# Altium PCB Transfer_V1_Pcb.PcbDoc (part 1 of 2)
Units mm, origin at the board's own origin, x right, y up, seen from the top; angles counter-clockwise.
Board outline 70 x 58.85 mm, 2 copper layers (Top Layer, Bottom Layer); 264 components, 30 nets, 720 pads, 84 vias.
Unrouted connection lines stored in the file: 1.
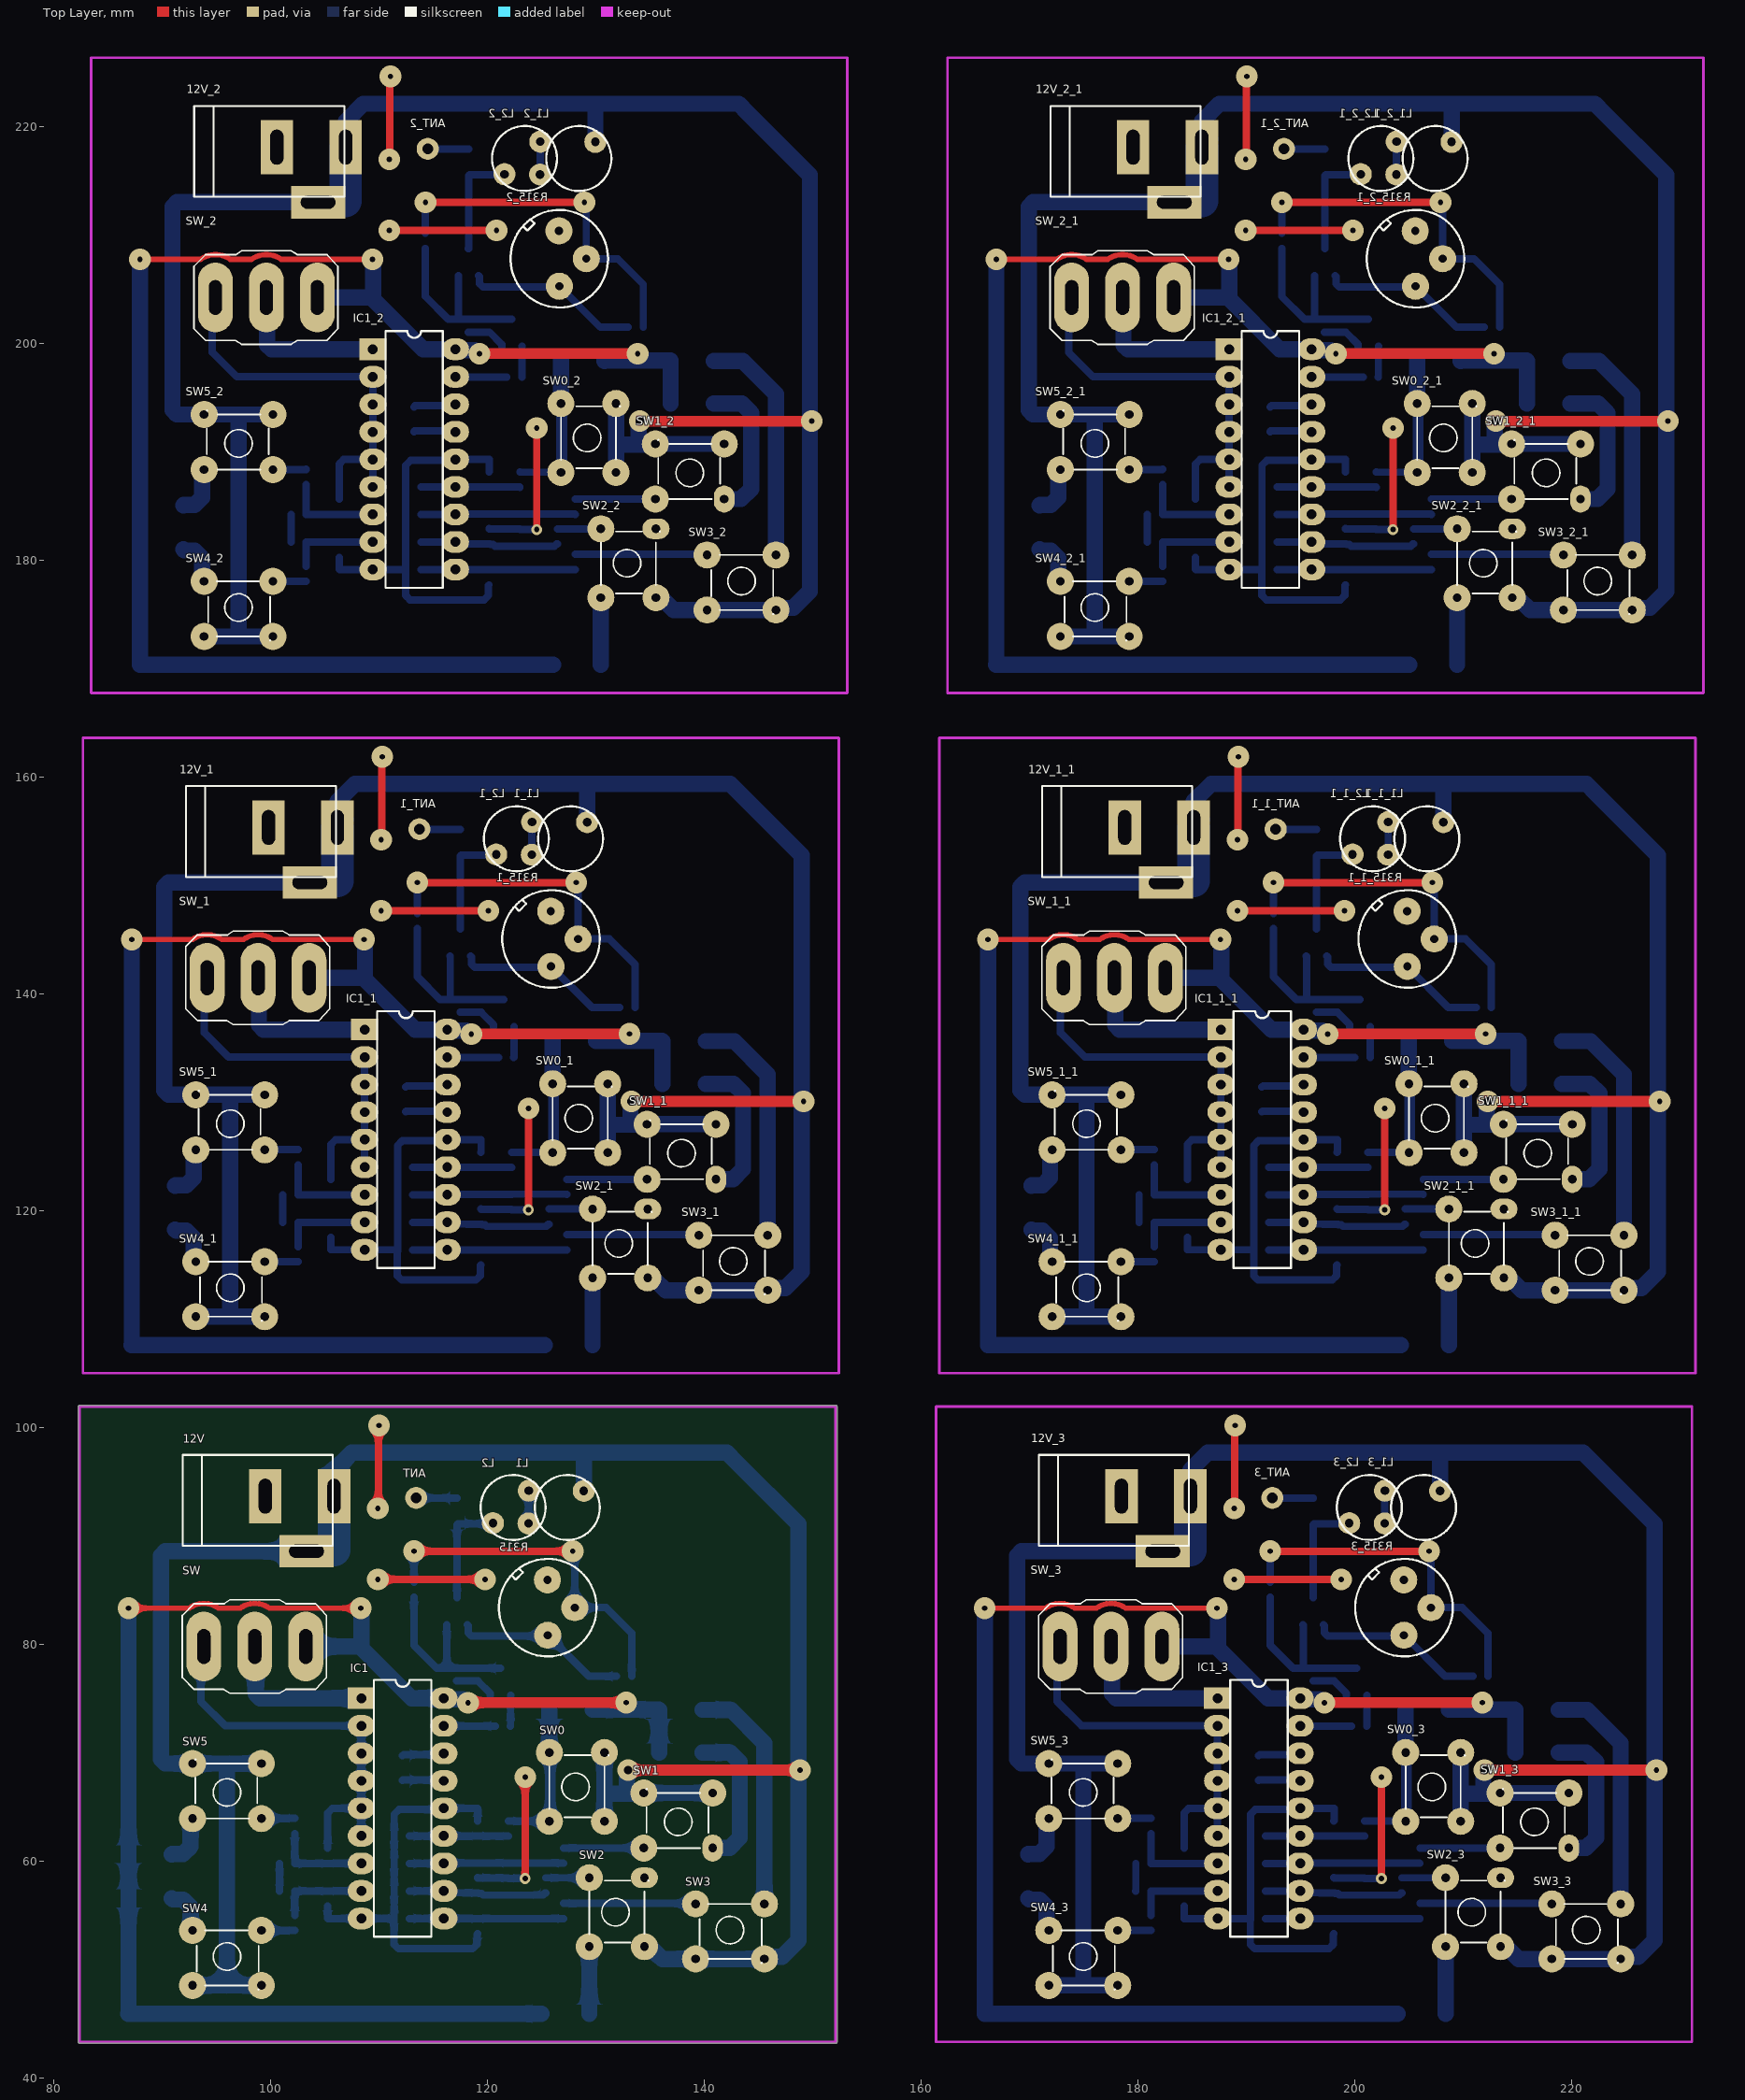
[diagram p0: Top Layer view]
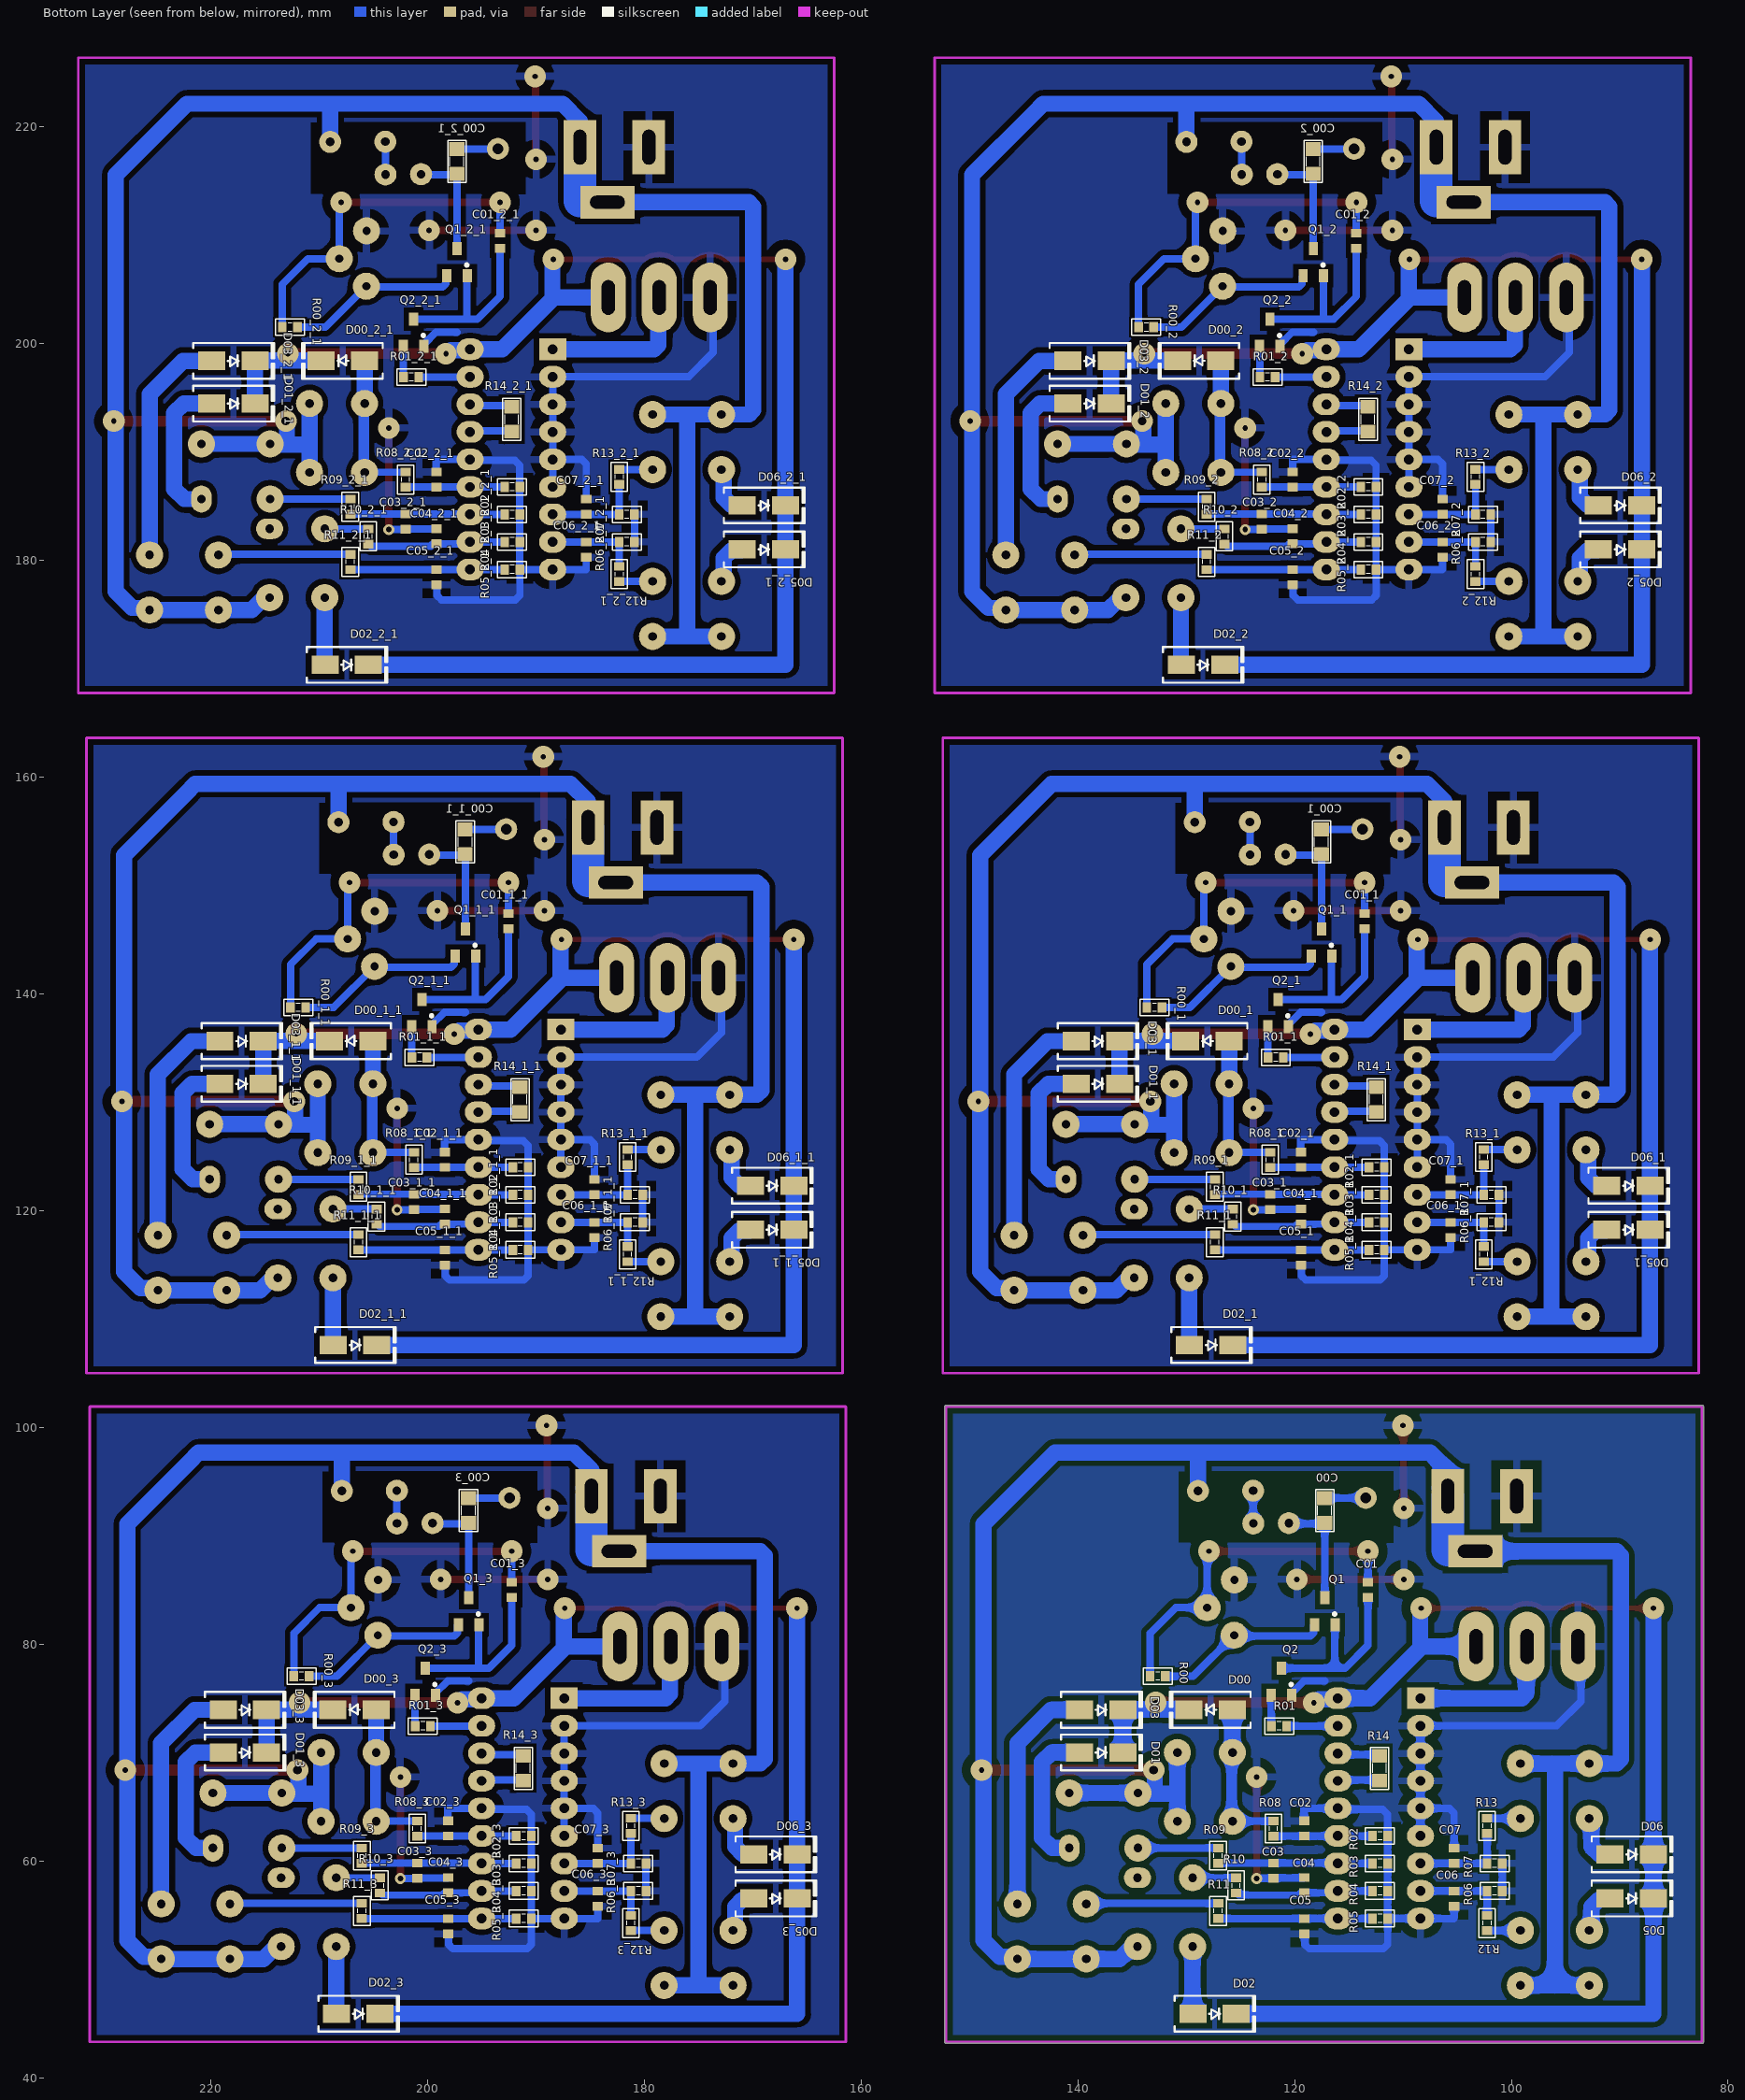
[diagram p1: Bottom Layer view, seen from below]

## Layer stack, top to bottom
Top Solder: solder mask 0.0102, Solder Resist, Dk 3.5
Top Layer: signal copper 0.0356
Dielectric 1: dielectric 0.32, FR-4, Dk 4.8
Bottom Layer: signal copper 0.0356
Bottom Solder: solder mask 0.0102, Solder Resist, Dk 3.5

## Board outline
82.27,43.307 82.27,101.905 cw(c82.398,101.905) 82.398,102.032 152.146,102.032 cw(c152.146,101.905) 152.273,101.905 152.273,43.307 cw(c152.146,43.307) 152.146,43.18 82.398,43.18 cw(c82.398,43.307)

## Design rules (kind name [scope] priority, off if disabled: settings)
Clearance [All] p1: gap=0.5 ignorepadtopadclearanceinfootprint=FALSE except(0.6: Arc-Via Track-Via SMDPad-Via THPad-Via Via-Via Via-Text Via-Hole; 0.8: Via-Fill Via-Poly Via-Region)
PolygonConnect [All] p1: connectstyle=Relief reliefconductorwidth=0.686 reliefentries=4 polygonreliefangle="90 Angle" airgapwidth=0.8
RoutingVias [All] p1: holewidth=0.711 width=1.27 viastyle="Through Hole" minholewidth=0.127 minwidth=0.254 maxholewidth=1.5 maxwidth=3
SolderMaskExpansion [All] p1: expansion=0.102 istentingtop=FALSE
Width [All] p1: maxlimit=5 minlimit=0.254 preferedwidth=1 bottomlayer_prefwidth=0.686 minimp=50.000000 maximp=50.000000 favimp=50.000000
30 further rules are at their usual default settings.

## Classes and differential pairs
component class Transfer_V1_Sch: 12V ANT C00 C01 C02 C03 C04 C05 C06 C07 D00 D01 D02 D03 D05 D06 IC1 L1 L2 Q1 Q2 R00 R01 R02 R03 R04 R05 R06 R07 R08 R09 R10 R11 R12 R13 R14 R315 SW SW0 SW1 SW2 SW3 SW4 SW5 t

## Components (designator, comment, footprint, x,y, rotation, side; value= is the part's Value field where it differs from the comment)
12V "JACK DC 5.5" "JACK DC 5.5" 102.692,91.11 r0 top value="Jac DC"
12V_1 "JACK DC 5.5" "JACK DC 5.5" 102.997,152.806 r0 top value="Jac DC" (schematic designator 12V)
12V_1_1 "JACK DC 5.5" "JACK DC 5.5" 181.991,152.806 r0 top value="Jac DC" (schematic designator 12V)
12V_2 "JACK DC 5.5" "JACK DC 5.5" 103.759,215.57 r0 top value="Jac DC" (schematic designator 12V)
12V_2_1 "JACK DC 5.5" "JACK DC 5.5" 182.753,215.57 r0 top value="Jac DC" (schematic designator 12V)
12V_3 "JACK DC 5.5" "JACK DC 5.5" 181.686,91.11 r0 top value="Jac DC" (schematic designator 12V)
ANT "Test Point" TP 113.436,93.497 r180 top
ANT_1 "Test Point" TP 113.741,155.194 r180 top (schematic designator ANT)
ANT_1_1 "Test Point" TP 192.735,155.194 r180 top (schematic designator ANT)
ANT_2 "Test Point" TP 114.503,217.957 r180 top (schematic designator ANT)
ANT_2_1 "Test Point" TP 193.497,217.957 r180 top (schematic designator ANT)
ANT_3 "Test Point" TP 192.43,93.497 r180 top (schematic designator ANT)
C00 "Cap Non-Pol SMD" CAP-SM-0805 117.221,91.186 r90 bottom value=7pF
C00_1 "Cap Non-Pol SMD" CAP-SM-0805 117.526,152.883 r90 bottom value=7pF (schematic designator C00)
C00_1_1 "Cap Non-Pol SMD" CAP-SM-0805 196.52,152.883 r90 bottom value=7pF (schematic designator C00)
C00_2 "Cap Non-Pol SMD" CAP-SM-0805 118.288,215.646 r90 bottom value=7pF (schematic designator C00)
C00_2_1 "Cap Non-Pol SMD" CAP-SM-0805 197.282,215.646 r90 bottom value=7pF (schematic designator C00)
C00_3 "Cap Non-Pol SMD" CAP-SM-0805 196.215,91.186 r90 bottom value=7pF (schematic designator C00)
C01 "Cap Non-Pol SMD" CAP-SM-0603 113.233,85.014 r270 bottom value=7p
C01_1 "Cap Non-Pol SMD" CAP-SM-0603 113.538,146.71 r270 bottom value=7p (schematic designator C01)
C01_1_1 "Cap Non-Pol SMD" CAP-SM-0603 192.532,146.71 r270 bottom value=7p (schematic designator C01)
C01_2 "Cap Non-Pol SMD" CAP-SM-0603 114.3,209.474 r270 bottom value=7p (schematic designator C01)
C01_2_1 "Cap Non-Pol SMD" CAP-SM-0603 193.294,209.474 r270 bottom value=7p (schematic designator C01)
C01_3 "Cap Non-Pol SMD" CAP-SM-0603 192.227,85.014 r270 bottom value=7p (schematic designator C01)
C02 "Cap Non-Pol SMD" CAP-SM-0603 119.101,62.992 r270 bottom value=100nF
C02_1 "Cap Non-Pol SMD" CAP-SM-0603 119.405,124.689 r270 bottom value=100nF (schematic designator C02)
C02_1_1 "Cap Non-Pol SMD" CAP-SM-0603 198.399,124.689 r270 bottom value=100nF (schematic designator C02)
C02_2 "Cap Non-Pol SMD" CAP-SM-0603 120.167,187.452 r270 bottom value=100nF (schematic designator C02)
C02_2_1 "Cap Non-Pol SMD" CAP-SM-0603 199.161,187.452 r270 bottom value=100nF (schematic designator C02)
C02_3 "Cap Non-Pol SMD" CAP-SM-0603 198.095,62.992 r270 bottom value=100nF (schematic designator C02)
C03 "Cap Non-Pol SMD" CAP-SM-0603 121.945,59.106 r90 bottom value=100nF
C03_1 "Cap Non-Pol SMD" CAP-SM-0603 122.25,120.802 r90 bottom value=100nF (schematic designator C03)
C03_1_1 "Cap Non-Pol SMD" CAP-SM-0603 201.244,120.802 r90 bottom value=100nF (schematic designator C03)
C03_2 "Cap Non-Pol SMD" CAP-SM-0603 123.012,183.566 r90 bottom value=100nF (schematic designator C03)
C03_2_1 "Cap Non-Pol SMD" CAP-SM-0603 202.006,183.566 r90 bottom value=100nF (schematic designator C03)
C03_3 "Cap Non-Pol SMD" CAP-SM-0603 200.939,59.106 r90 bottom value=100nF (schematic designator C03)
C04 "Cap Non-Pol SMD" CAP-SM-0603 119.101,57.76 r270 bottom value=100nF
C04_1 "Cap Non-Pol SMD" CAP-SM-0603 119.405,119.456 r270 bottom value=100nF (schematic designator C04)
C04_1_1 "Cap Non-Pol SMD" CAP-SM-0603 198.399,119.456 r270 bottom value=100nF (schematic designator C04)
C04_2 "Cap Non-Pol SMD" CAP-SM-0603 120.167,182.22 r270 bottom value=100nF (schematic designator C04)
C04_2_1 "Cap Non-Pol SMD" CAP-SM-0603 199.161,182.22 r270 bottom value=100nF (schematic designator C04)
C04_3 "Cap Non-Pol SMD" CAP-SM-0603 198.095,57.76 r270 bottom value=100nF (schematic designator C04)
C05 "Cap Non-Pol SMD" CAP-SM-0603 119.101,53.975 r90 bottom value=100nF
C05_1 "Cap Non-Pol SMD" CAP-SM-0603 119.405,115.672 r90 bottom value=100nF (schematic designator C05)
C05_1_1 "Cap Non-Pol SMD" CAP-SM-0603 198.399,115.672 r90 bottom value=100nF (schematic designator C05)
C05_2 "Cap Non-Pol SMD" CAP-SM-0603 120.167,178.435 r90 bottom value=100nF (schematic designator C05)
C05_2_1 "Cap Non-Pol SMD" CAP-SM-0603 199.161,178.435 r90 bottom value=100nF (schematic designator C05)
C05_3 "Cap Non-Pol SMD" CAP-SM-0603 198.095,53.975 r90 bottom value=100nF (schematic designator C05)
C06 "Cap Non-Pol SMD" CAP-SM-0603 105.283,56.515 r90 bottom value=100nF
C06_1 "Cap Non-Pol SMD" CAP-SM-0603 105.588,118.212 r90 bottom value=100nF (schematic designator C06)
C06_1_1 "Cap Non-Pol SMD" CAP-SM-0603 184.582,118.212 r90 bottom value=100nF (schematic designator C06)
C06_2 "Cap Non-Pol SMD" CAP-SM-0603 106.35,180.975 r90 bottom value=100nF (schematic designator C06)
C06_2_1 "Cap Non-Pol SMD" CAP-SM-0603 185.344,180.975 r90 bottom value=100nF (schematic designator C06)
C06_3 "Cap Non-Pol SMD" CAP-SM-0603 184.277,56.515 r90 bottom value=100nF (schematic designator C06)
C07 "Cap Non-Pol SMD" CAP-SM-0603 105.283,60.477 r270 bottom value=100nF
C07_1 "Cap Non-Pol SMD" CAP-SM-0603 105.588,122.174 r270 bottom value=100nF (schematic designator C07)
C07_1_1 "Cap Non-Pol SMD" CAP-SM-0603 184.582,122.174 r270 bottom value=100nF (schematic designator C07)
C07_2 "Cap Non-Pol SMD" CAP-SM-0603 106.35,184.937 r270 bottom value=100nF (schematic designator C07)
C07_2_1 "Cap Non-Pol SMD" CAP-SM-0603 185.344,184.937 r270 bottom value=100nF (schematic designator C07)
C07_3 "Cap Non-Pol SMD" CAP-SM-0603 184.277,60.477 r270 bottom value=100nF (schematic designator C07)
D00 "M7" "DIODE SMA" 127.737,73.939 r0 bottom
D00_1 "M7" "DIODE SMA" 128.041,135.636 r0 bottom (schematic designator D00)
D00_1_1 "M7" "DIODE SMA" 207.035,135.636 r0 bottom (schematic designator D00)
D00_2 "M7" "DIODE SMA" 128.803,198.399 r0 bottom (schematic designator D00)
D00_2_1 "M7" "DIODE SMA" 207.797,198.399 r0 bottom (schematic designator D00)
D00_3 "M7" "DIODE SMA" 206.731,73.939 r0 bottom (schematic designator D00)
D01 "M7" "DIODE SMA" 137.846,70 r180 bottom
D01_1 "M7" "DIODE SMA" 138.151,131.697 r180 bottom (schematic designator D01)
D01_1_1 "M7" "DIODE SMA" 217.145,131.697 r180 bottom (schematic designator D01)
D01_2 "M7" "DIODE SMA" 138.913,194.46 r180 bottom (schematic designator D01)
D01_2_1 "M7" "DIODE SMA" 217.907,194.46 r180 bottom (schematic designator D01)
D01_3 "M7" "DIODE SMA" 216.84,70 r180 bottom (schematic designator D01)
D02 "M7" "DIODE SMA" 127.381,45.898 r180 bottom
D02_1 "M7" "DIODE SMA" 127.686,107.595 r180 bottom (schematic designator D02)
D02_1_1 "M7" "DIODE SMA" 206.68,107.595 r180 bottom (schematic designator D02)
D02_2 "M7" "DIODE SMA" 128.448,170.358 r180 bottom (schematic designator D02)
D02_2_1 "M7" "DIODE SMA" 207.442,170.358 r180 bottom (schematic designator D02)
D02_3 "M7" "DIODE SMA" 206.375,45.898 r180 bottom (schematic designator D02)
D03 "M7" "DIODE SMA" 137.846,73.939 r180 bottom
D03_1 "M7" "DIODE SMA" 138.151,135.636 r180 bottom (schematic designator D03)
D03_1_1 "M7" "DIODE SMA" 217.145,135.636 r180 bottom (schematic designator D03)
D03_2 "M7" "DIODE SMA" 138.913,198.399 r180 bottom (schematic designator D03)
D03_2_1 "M7" "DIODE SMA" 217.907,198.399 r180 bottom (schematic designator D03)
D03_3 "M7" "DIODE SMA" 216.84,73.939 r180 bottom (schematic designator D03)
D05 "M7" "DIODE SMA" 88.9,56.54 r180 bottom
D05_1 "M7" "DIODE SMA" 89.205,118.237 r180 bottom (schematic designator D05)
D05_1_1 "M7" "DIODE SMA" 168.199,118.237 r180 bottom (schematic designator D05)
D05_2 "M7" "DIODE SMA" 89.967,181 r180 bottom (schematic designator D05)
D05_2_1 "M7" "DIODE SMA" 168.961,181 r180 bottom (schematic designator D05)
D05_3 "M7" "DIODE SMA" 167.894,56.54 r180 bottom (schematic designator D05)
D06 "M7" "DIODE SMA" 88.9,60.604 r180 bottom
D06_1 "M7" "DIODE SMA" 89.205,122.301 r180 bottom (schematic designator D06)
D06_1_1 "M7" "DIODE SMA" 168.199,122.301 r180 bottom (schematic designator D06)
D06_2 "M7" "DIODE SMA" 89.967,185.064 r180 bottom (schematic designator D06)
D06_2_1 "M7" "DIODE SMA" 168.961,185.064 r180 bottom (schematic designator D06)
D06_3 "M7" "DIODE SMA" 167.894,60.604 r180 bottom (schematic designator D06)
IC1 "PT2262" DIP18 112.192,64.846 r270 top
IC1_1 "PT2262" DIP18 112.497,126.543 r270 top (schematic designator IC1)
IC1_1_1 "PT2262" DIP18 191.491,126.543 r270 top (schematic designator IC1)
IC1_2 "PT2262" DIP18 113.259,189.306 r270 top (schematic designator IC1)
IC1_2_1 "PT2262" DIP18 192.253,189.306 r270 top (schematic designator IC1)
IC1_3 "PT2262" DIP18 191.186,64.846 r270 top (schematic designator IC1)
L1 "8T" L-DIP-M-5.3#1 127.381,92.608 r90 top value="150 mH"